# Altium PCB BASE_V1_1.PcbDoc (part 1 of 2)
Units mm, origin at the board's own origin, x right, y up, seen from the top; angles counter-clockwise.
Board outline 93.01 x 71.01 mm, 2 copper layers (Top Layer, Bottom Layer); 138 components, 109 nets, 541 pads, 233 vias.
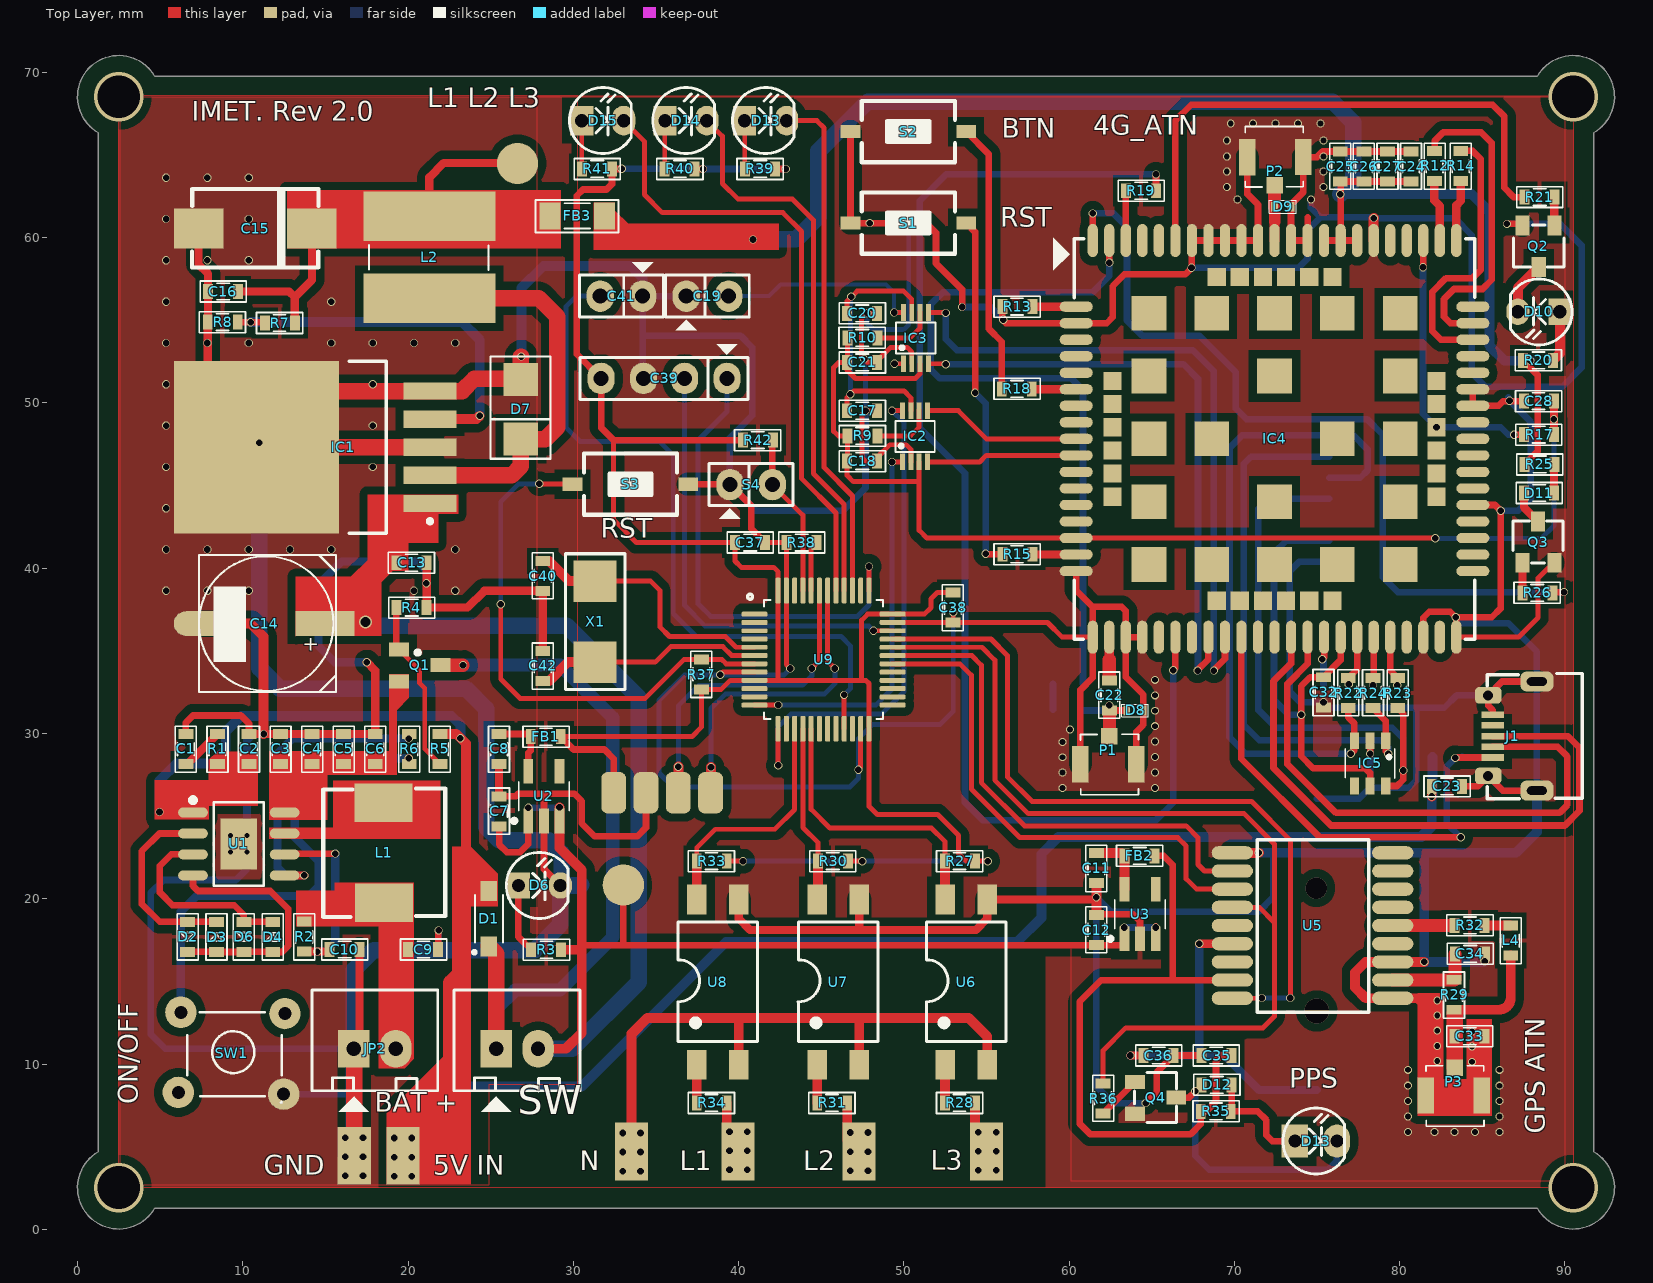
[diagram p0: Top Layer view]
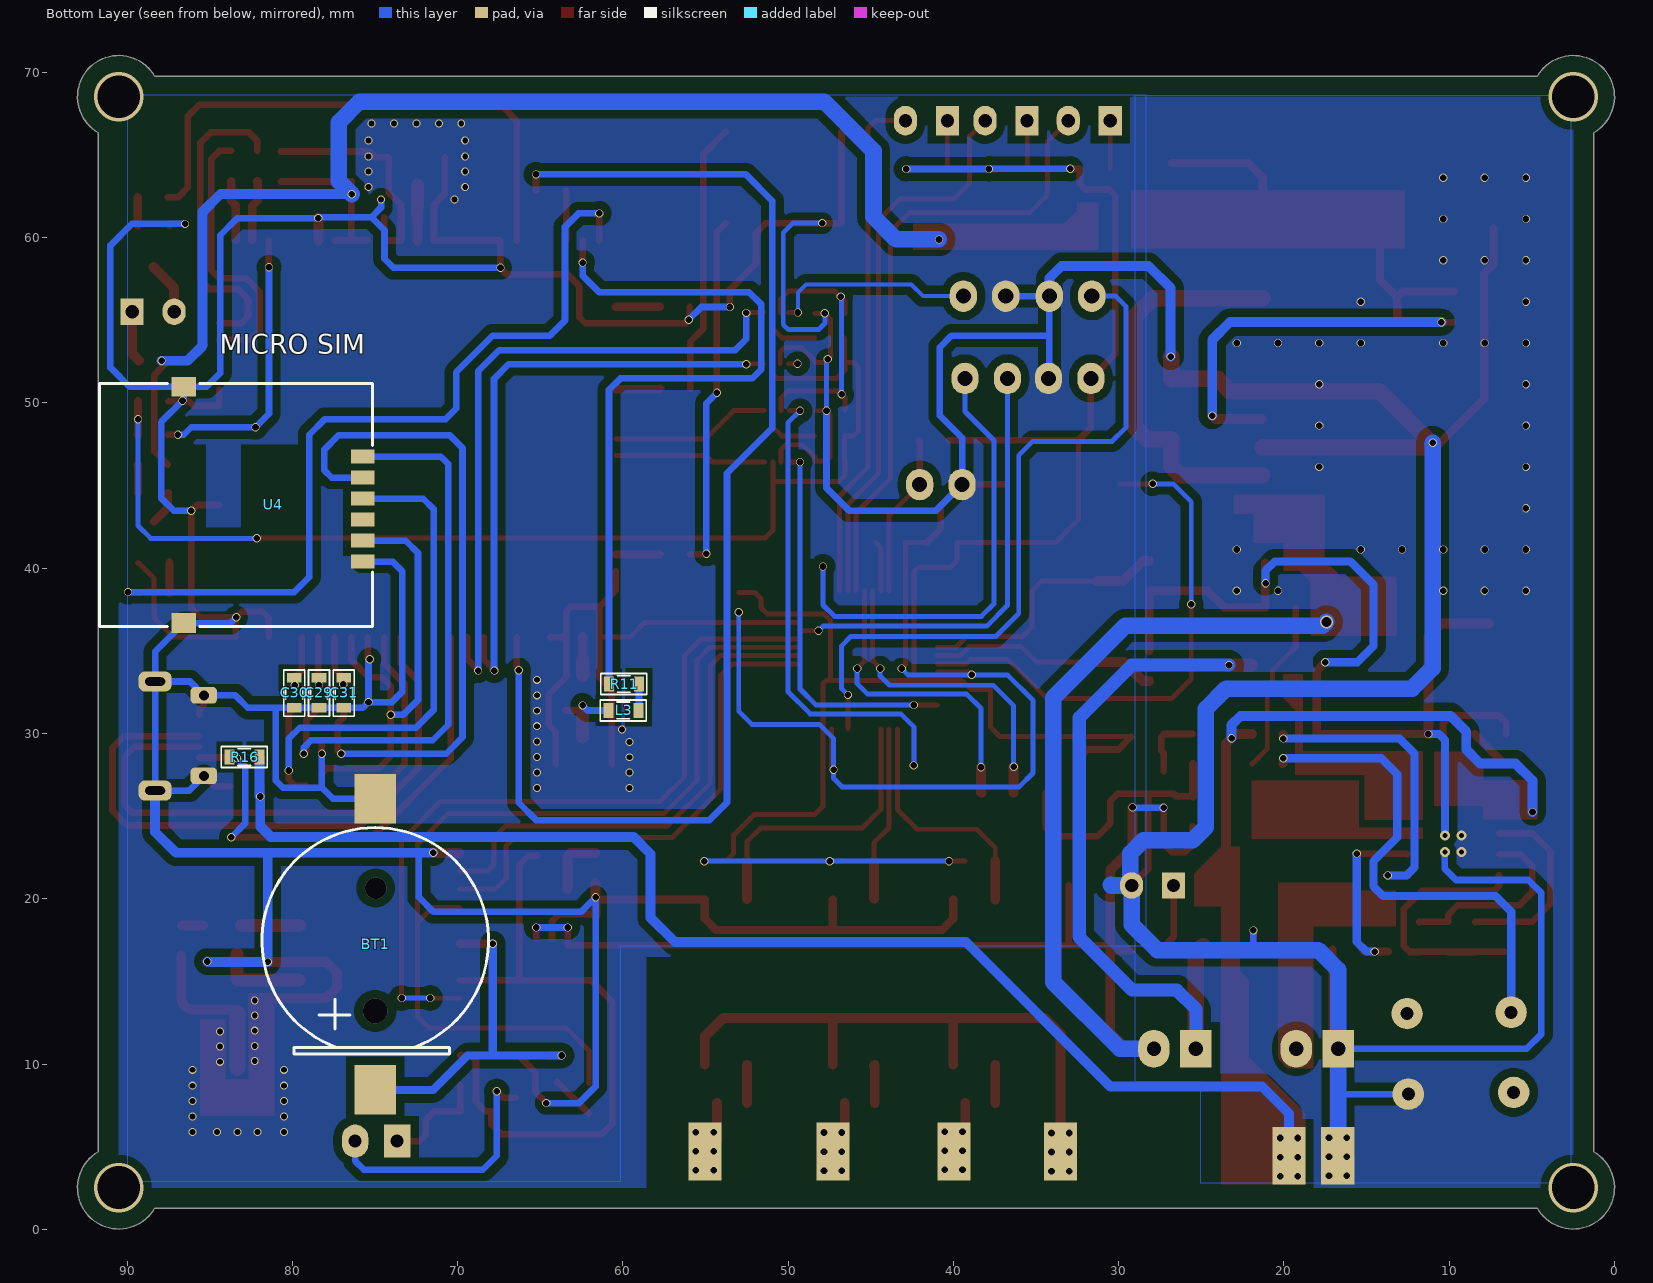
[diagram p1: Bottom Layer view, seen from below]
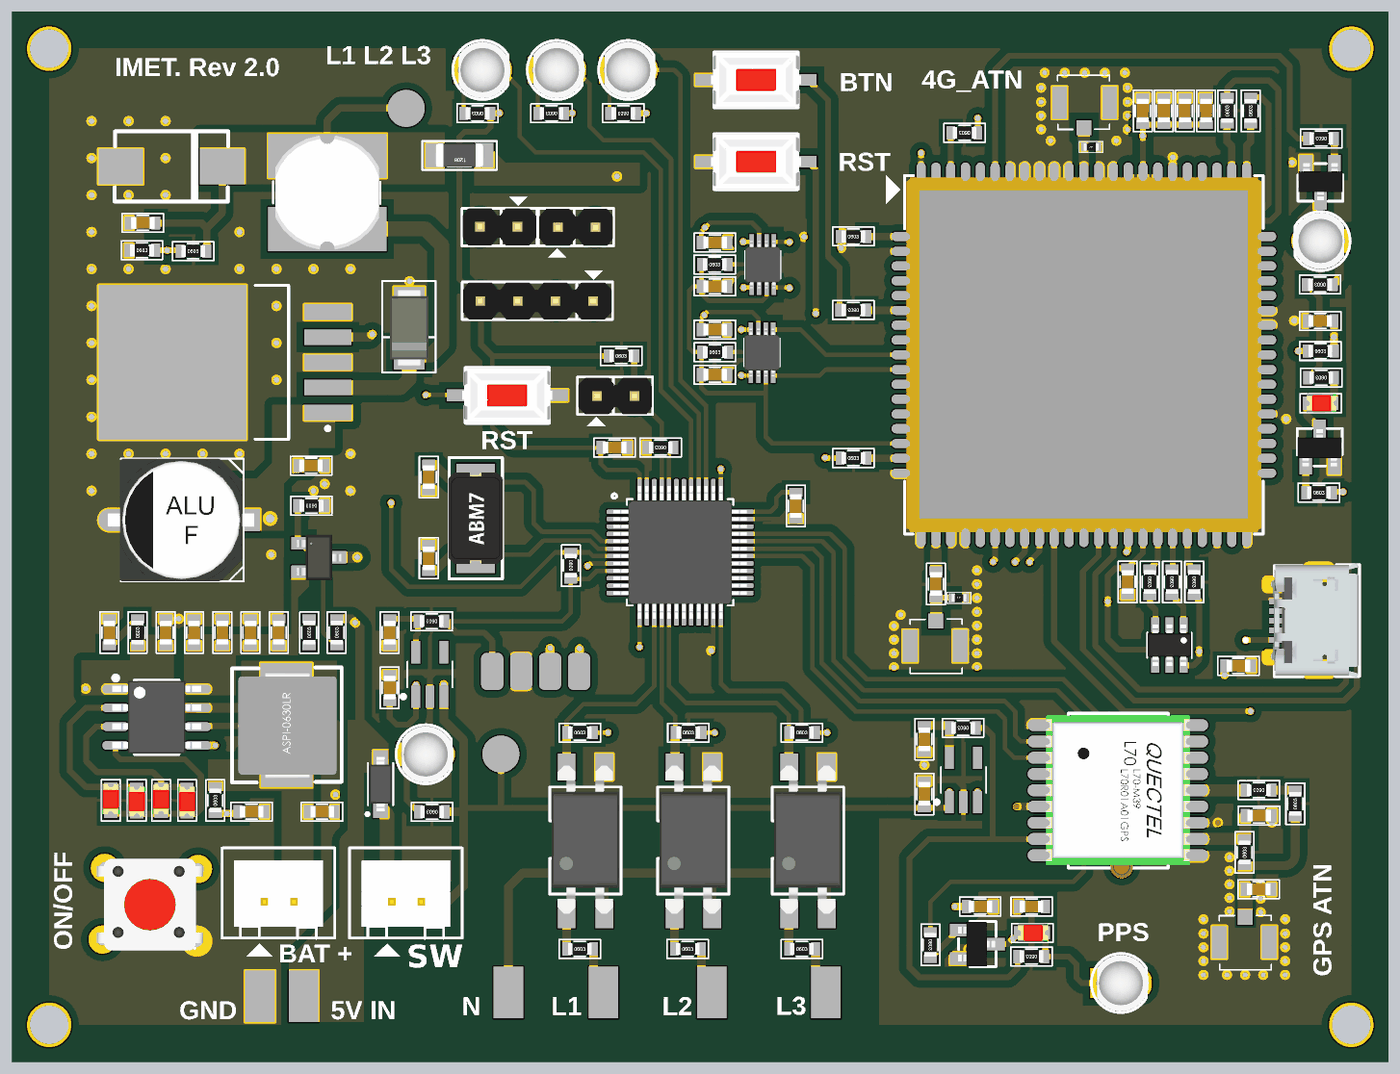
[diagram p3: 3D render of the assembled board from above, using the file's embedded part models]
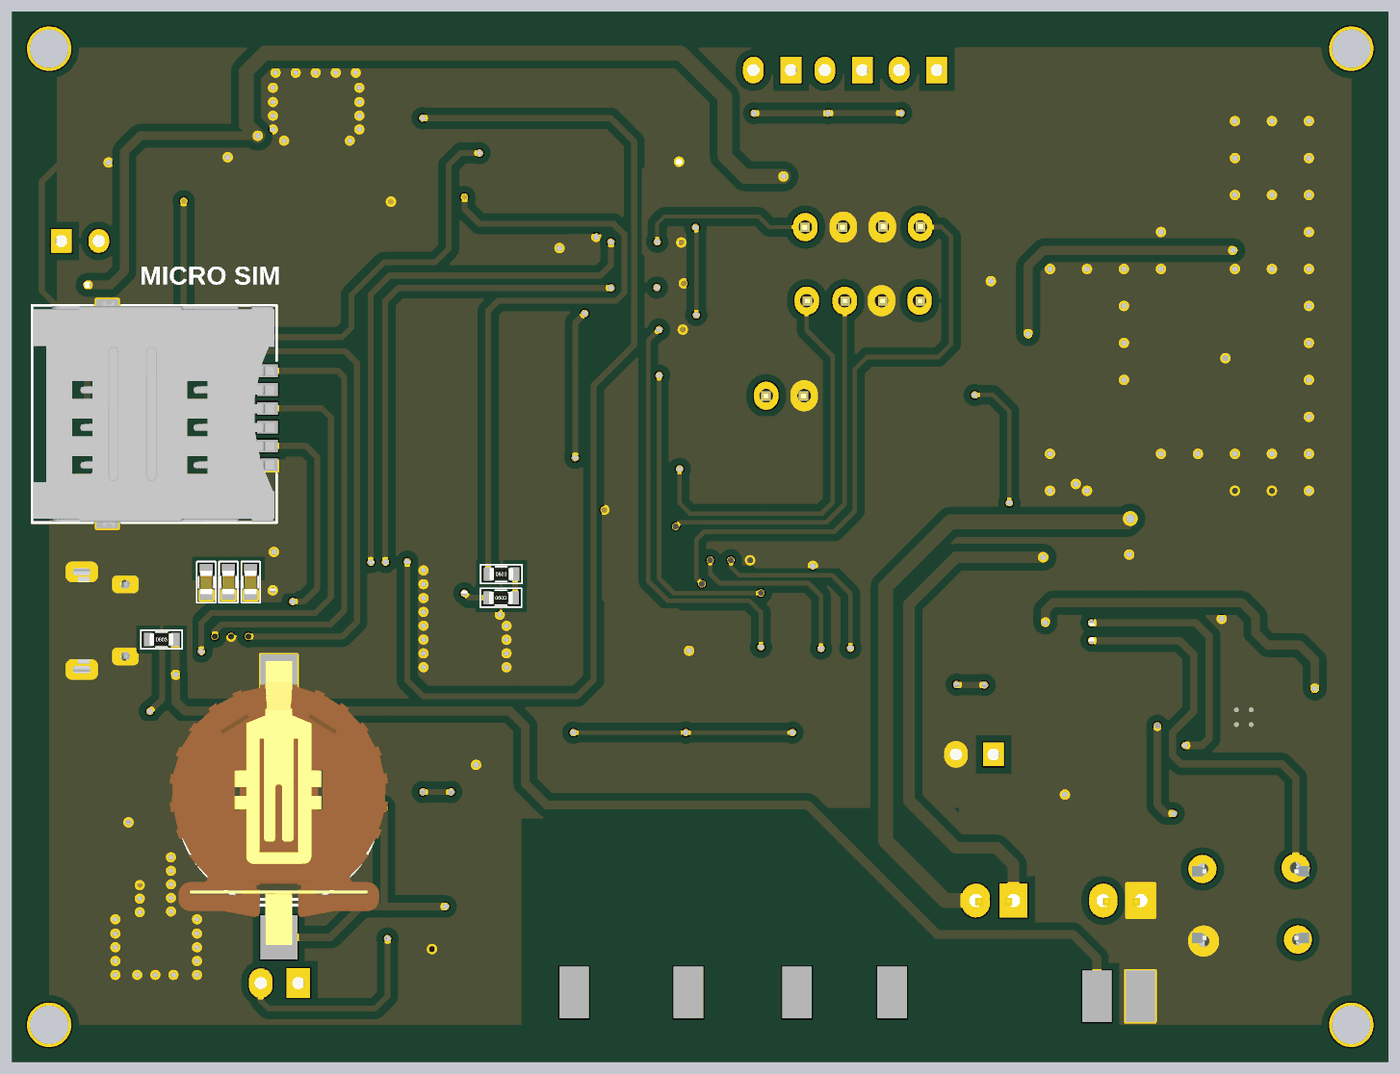
[diagram p4: 3D render of the assembled board from below, using the file's embedded part models]

## Layer stack, top to bottom
Top Solder: solder mask 0.0102, Solder Resist, Dk 3.5
Top Layer: signal copper 0.0356
Dielectric 1: dielectric 0.32, FR-4, Dk 4.8
Bottom Layer: signal copper 0.0356
Bottom Solder: solder mask 0.0102, Solder Resist, Dk 3.5

## Board outline
1.239,4.68 1.239,66.364 cw(c2.489,68.529) 4.654,69.779 88.335,69.779 cw(c90.5,68.529) 91.75,66.364 91.75,4.68 cw(c90.5,2.515) 88.335,1.265 4.654,1.265 cw(c2.489,2.515)

## Design rules (kind name [scope] priority, off if disabled: settings)
Clearance [All] p1: gap=0.178 ignorepadtopadclearanceinfootprint=FALSE except(0.508: Arc-Fill Arc-Poly Arc-Region Track-Fill Track-Poly Track-Region SMDPad-Fill SMDPad-Poly SMDPad-Region THPad-Fill THPad-Poly THPad-Region Via-Fill Via-Poly Via-Region Fill-Fill Fill-Poly Fill-Region Poly-Poly Poly-Region Region-Region)
PolygonConnect [All] p1: connectstyle=Direct reliefconductorwidth=0.254 reliefentries=4 polygonreliefangle="90 Angle" airgapwidth=0.254
RoutingVias [All] p1: holewidth=0.4 width=0.5 viastyle="Through Hole" minholewidth=0.4 minwidth=0.5 maxholewidth=0.5 maxwidth=0.7
SolderMaskExpansion [All] p1: expansion=0.102 istentingtop=FALSE
Width [All] p1: maxlimit=2.54 minlimit=0.254 preferedwidth=0.254
30 further rules are at their usual default settings.

## Classes and differential pairs
component class "3. MCU": BT1 C33 C34 C35 C36 C37 C38 C39 C40 C41 C42 D12 D13 D14 D15 L4 P3 Q4 R27 R28 R29 R30 R31 R32 R33 R34 R35 R36 R37 R38 R39 R40 R41 R42 S3 S4 U5 U6 U7 U8 U9 X1
component class "2. 4G": BOOT1 C17 C18 C19 C20 C21 C22 C23 C24 C25 C26 C27 C28 C29 C30 C31 C32 D8 D9 D10 D11 IC2 IC3 IC4 IC5 J1 L3 P1 P2 Q2 Q3 R9 R10 R11 R12 R13 R14 R15 R16 R17 R18 R19 R20 R21 R22 R23 R24 R25 R26 RST1 S1 S2 S? U4
component class "1. Power": C1 C2 C3 C4 C5 C6 C7 C8 C9 C10 C11 C12 C13 C14 C15 C16 D1 D2 D3 D4 D6 D7 FB1 FB2 FB3 IC1 JP2 L1 L2 Q1 R1 R2 R3 R4 R5 R6 R7 R8 SW SW1 U1 U2 U3

## Components (designator, comment, footprint, x,y, rotation, side; value= is the part's Value field where it differs from the comment)
BT1 "PIN 3V" "CR1220 SMD" 74.752,17.094 r180 bottom
C1 "10uF" CAP_0603 6.553,29.058 r90 top value=33p
C2 "10uF" CAP_0603 10.372,29.058 r90 top value=33p
C3 "22uF" CAP_0603 12.281,29.058 r90 top value=33p
C4 "22uF" CAP_0603 14.19,29.058 r90 top value=33p
C5 "22uF" CAP_0603 16.099,29.058 r90 top value=33p
C6 "22uF" CAP_0603 18.009,29.058 r90 top value=33p
C7 "10uF" CAP_0603 25.502,25.296 r270 top value=33p
C8 "10uF" CAP_0603 25.501,29.058 r90 top value=33p
C9 "22uF" CAP_0603 20.918,16.929 r180 top value=33p
C10 "22uF" CAP_0603 16.154,16.929 r180 top value=33p
C11 "10uF" CAP_0603 61.646,21.844 r90 top value=33p
C12 "10uF" CAP_0603 61.646,18.11 r270 top value=33p
C13 "104" CAP_0603 20.209,40.335 r0 top value=33p
C14 "470uF" CAP-ALU-SMD-F 11.408,36.652 r180 top
C15 "220uF" TANTALUM 10.749,60.554 r180 top
C16 "104" CAP_0603 8.801,56.744 r180 top value=33p
C17 "104" CAP_0603 47.473,49.53 r180 top value=33p
C18 "104" CAP_0603 47.473,46.482 r180 top value=33p
C19 "Header2" JP2 36.83,56.464 r0 top
C20 "104" CAP_0603 47.473,55.423 r180 top value=33p
C21 "104" CAP_0603 47.473,52.451 r180 top value=33p
C22 "33pF" CAP_0603 62.433,32.309 r270 top value=33p
C23 "10uF" CAP_0603 82.855,26.797 r180 top value=33p
C24 "10pF" CAP_0603 80.686,64.313 r270 top value=33p
C25 "33pF" CAP_0603 76.403,64.313 r270 top value=33p
C26 "104" CAP_0603 77.831,64.313 r270 top value=33p
C27 "1uF" CAP_0603 79.258,64.313 r270 top value=33p
C28 "10uF" CAP_0603 88.417,50.114 r0 top value=33p
C29 "22pF" CAP_0603 78.384,32.461 r90 bottom value=33p
C30 "22pF" CAP_0603 79.883,32.461 r90 bottom value=33p
C31 "22pF" CAP_0603 76.886,32.461 r90 bottom value=33p
C32 "104" CAP_0603 75.387,32.487 r90 top value=33p
C33 "104" CAP_0603 84.226,11.684 r180 top value=33p
C34 "104" CAP_0603 84.252,16.662 r180 top value=33p
C35 "104" CAP_0603 68.91,10.516 r0 top value=33p
C36 "104" CAP_0603 65.405,10.516 r180 top value=33p
C37 "104" CAP_0603 40.691,41.554 r180 top value=33p
C38 "104" CAP_0603 52.959,37.617 r90 top value=33p
C39 "Header4" JP4 36.754,51.486 r180 top
C40 "22pF" CAP_0603 28.143,39.535 r270 top value=33p
C41 "Header2" JP2 34.188,56.464 r180 top
C42 "22pF" CAP_0603 28.143,34.087 r90 top value=33p
D1 "Diode" SOD-123 24.816,18.872 r90 top value=1N5007
D2 "LED" LED-0603-Red#1 6.68,17.729 r270 top value="LED 3 ly Single Colour"
D3 "LED" LED-0603-Red#1 8.382,17.653 r90 top value="LED 3 ly Single Colour"
D4 "LED" LED-0603-Red#1 11.786,17.653 r90 top value="LED 3 ly Single Colour"
D6 "LED" LED-3#1 26.67,20.803 r0 top value="LED 3 ly Single Colour"
D6 "LED" LED-0603-Red#1 10.084,17.729 r270 top value="LED 3 ly Single Colour"
D7 "SS36" DO-214AC(SMA) 26.746,50.183 r90 top value="40V 3A"
D8 "TVS" RES-SMD-0402 63.983,31.394 r0 top value=4V
D9 "TVS" RES-SMD-0402 72.923,61.874 r0 top value=4V
D10 "NET" LED-3#1 89.687,55.524 r180 top value="LED 3 ly Single Colour"
D11 "PPS" LED-0603-Red#2 88.392,44.552 r180 top value="LED 3 ly Single Colour"
D12 "GPS" LED-0603-Red#2 68.885,8.738 r180 top value="LED 3 ly Single Colour"
D13 "GPS" LED-3#2 73.66,5.334 r0 top value="LED 3 ly Single Colour"
D13 "PWR LED" LED-3#3 40.361,67.081 r0 top value="LED 3 ly Single Colour"
D14 "PWR LED" LED-3#3 35.535,67.081 r0 top value="LED 3 ly Single Colour"
D15 "PWR LED" LED-3#3 30.505,67.081 r0 top value="LED 3 ly Single Colour"
FB1 "120R" RES-SMD-0603 28.347,29.807 r180 top
FB2 "120R" RES-SMD-0603 64.263,22.594 r180 top
FB3 "120R" RES-SMD-1206 30.226,61.316 r180 top
IC1 "LM2576" LM2596 15.32,47.32 r180 top
IC2 "TXB0102DCUR" TXB0102DCUR 50.673,47.981 r90 top
IC3 "TXB0102DCUR" TXB0102DCUR 50.724,53.924 r90 top
IC4 "SIM A7672S" "SIM A7672S" 72.425,47.828 r0 top
IC5 "TPD4E001" TPD4E001 78.207,28.194 r270 top
J1 "USB-5" MICROUSB 87.968,30.099 r270 top
JP2 "JP2" CON2 16.713,10.922 r0 top value="Connector 2"
L1 "1uH" "Inductor SMD 0630" 18.669,22.784 r0 top value="150 mH"
L2 "100uH" CD75-220 21.285,58.75 r90 top value=220uH
L3 "47nH" RES-SMD-0603 59.969,31.394 r180 bottom value="150 mH"
L4 "47nH" RES-SMD-0603 86.716,17.463 r90 top value="150 mH"
P1 "IPX" IPXS 62.408,29.413 r90 top
P2 "IPX" IPXS 72.441,63.602 r270 top
P3 "IPX" IPXS 83.312,9.373 r90 top
Q1 "AO3401A" AO3407A 20.726,34.061 r270 top
Q2 "3904" MMBT3904 88.417,59.487 r180 top
Q3 "3904" MMBT3904 88.367,41.58 r0 top
Q4 "NPN" MMBT3904 65.227,7.976 r270 top
R1 "1K" RES-SMD-0603 8.463,29.045 r90 top
R2 "0.5R" RES-SMD-0603 13.716,17.691 r90 top
R3 "10k" RES-SMD-0603 28.373,16.916 r180 top
R4 "10k" RES-SMD-0603 20.218,37.617 r180 top
R5 "0R" RES-SMD-0603 21.921,29.045 r90 top
R6 "10K" RES-SMD-0603 20.066,29.045 r90 top
R7 "10k" RES-SMD-0603 12.217,54.839 r0 top
R8 "4.7k" RES-SMD-0603 8.763,54.889 r0 top
R9 "1k" RES-SMD-0603 47.485,48.006 r0 top
R10 "1k" RES-SMD-0603 47.473,53.937 r0 top
R11 "10R" RES-SMD-0603 59.944,32.995 r180 bottom
R12 "10k" RES-SMD-0603 82.113,64.325 r90 top
R13 "1K" RES-SMD-0603 56.845,55.829 r0 top
R14 "10k" RES-SMD-0603 83.693,64.325 r90 top
R15 "1K" RES-SMD-0603 56.845,40.843 r0 top
R16 "0R" RES-SMD-0603 82.906,28.575 r180 bottom
R17 "0R" RES-SMD-0603 88.417,48.082 r0 top
R18 "1K" RES-SMD-0603 56.845,50.851 r180 top
R19 "0R" RES-SMD-0603 64.364,62.84 r180 top
R20 "1k" RES-SMD-0603 88.392,52.578 r180 top
R21 "330R" RES-SMD-0603 88.468,62.459 r180 top
R22 "22R" RES-SMD-0603 76.886,32.461 r270 top
R23 "22R" RES-SMD-0603 79.883,32.461 r270 top
R24 "22R" RES-SMD-0603 78.384,32.461 r270 top
R25 "1k" RES-SMD-0603 88.468,46.279 r180 top
R26 "330R" RES-SMD-0603 88.316,38.506 r0 top
R27 "1K" RES-SMD-0603 53.365,22.276 r0 top
R28 "500k" RES-SMD-0603 53.365,7.645 r0 top
R29 "0R" RES-SMD-0603 83.287,14.173 r90 top
R30 "1K" RES-SMD-0603 45.695,22.276 r0 top
R31 "500k" RES-SMD-0603 45.644,7.645 r0 top
R32 "0R" RES-SMD-0603 84.252,18.39 r180 top
R33 "1K" RES-SMD-0603 38.354,22.276 r0 top
R34 "500k" RES-SMD-0603 38.354,7.645 r0 top
R35 "330R" RES-SMD-0603 68.885,7.137 r180 top
R36 "1K" RES-SMD-0603 62.052,7.925 r270 top
R37 "10K" RES-SMD-0603 37.744,33.579 r270 top
R38 "10K" RES-SMD-0603 43.815,41.555 r180 top
R39 "1K" RES-SMD-0603 41.3,64.16 r180 top
R40 "1K" RES-SMD-0603 36.449,64.16 r180 top
R41 "1K" RES-SMD-0603 31.445,64.16 r180 top
R42 "1K" RES-SMD-0603 41.148,47.752 r0 top
S1 "RST" SW-SMD 50.267,60.884 r0 top
S2 "BTN" SW-SMD 50.267,66.421 r0 top
S3 "SW-SMD" SW-SMD 33.452,45.085 r180 top
S4 "SW-SMD" JP2 39.472,45.06 r0 top
SW "SW" CON2 25.324,10.922 r0 top value="Connector 2"
SW1 "SW" SW4 6.248,13.132 r0 top value="Button chip 4 pin"
U1 "IP5306" IP5306 9.73,23.313 r0 top
U2 "TLV70223" SOT23-5 28.219,26.213 r90 top
U3 "TLV70223" SOT23-5 64.287,19.075 r90 top
U4 "Sim holder" "SIM_MicroSIM 6P Flip" 81.153,43.828 r90 bottom
U5 "GPS L70" "GPS L70" 69.875,22.78 r0 top
U6 "OPTO" OPTO_SMD 52.502,9.957 r90 top value=TLP5211
U7 "OPTO" OPTO_SMD 44.755,9.957 r90 top value=TLP5211
U8 "OPTO" OPTO_SMD 37.465,9.957 r90 top value=TLP5211
U9 "STM32F103C8T6" STM32F103C8T6 45.237,34.569 r0 top
X1 "8Mhz" "XTAL 5032 SMD 8Mhz" 31.318,36.768 r90 top value=4Mhz

## Footprints (in the part's own frame and the unit in brackets; to place one, negate y for a bottom-side part, rotate by r counter-clockwise, add the part's x,y. Pads: shape width x height; smd on the part's side, far side on the other; paste and mask are expansions set on the pad)
AO3407A [mm]
  rect 0.85x1.2 smd: 1(-1.016,-1.27) 2(0.909,-1.275) 3(-0.071,1.225)
  silkscreen extent -0.96,-0.28 -0.71,-0.03, body extent -1.6,-1.5 1.5,1.5, height 1.25
CAP-ALU-SMD-F [mil]
  rect 140x59.06 smd: 1(-140,0)
  oval 140x59.06 smd: 2(150,0)
  silkscreen extent -166,-163 160,163, body extent -195,-163 195,163, height 402
CAP_0603 [mm]
  rect 0.6x0.9 smd: 1(-0.901,0) 2(0.914,0)
  silkscreen extent -1.41,-0.64 1.38,0.63, body extent -0.83,-0.4 0.77,0.4, height 0.9
CD75-220 [mm] "Power Inductor CD75 7.8x7x5mm"
  rect 3x8 smd: 1(-2.413,0) 2(2.54,0)
  silkscreen extent -0.71,-3.58 0.81,3.66, body extent -3.82,-3.5 3.92,3.5, height 5
CON2 [mil] "CON2"
  rect 75x90 hole 34: 1(0,0)
  oval 75x90 hole 34: 2(100,0)
  silkscreen extent -100,-150 200,140, body extent -68,-70 168,107, height 236
"CR1220 SMD" [mm] "CR1220 SMD"
  rect 2.5x3 smd: 1(-0.229,-8.661) 2(-0.229,8.966)
  silkscreen extent -7.08,-6.48 6.63,7.21, body extent -7.6,-9.18 7.15,10.02, height 4.55
DO-214AC(SMA) [mm] "DO-214AC Diode Smallest Size"
  rect 2x2.1 smd: 1(1.245,-0.076) 2(-2.367,-0.076)
  silkscreen extent -3.56,-1.86 2.62,1.76, body extent -3.13,-1.38 2.07,1.22, height 2.4
"GPS L70" [mm]
  oval 2.5x0.8 smd: 1(0,0) 2(0,-1.1) 3(0,-2.2) 4(0,-3.3) 5(0,-4.4) 6(0,-5.5) 7(0,-6.6) 8(0,-7.7) 9(0,-8.8) 10(9.7,-8.8) 11(9.7,-7.7) 12(9.7,-6.6) 13(9.7,-5.5) 14(9.7,-4.4) 15(9.7,-3.3) 16(9.7,-2.2) 17(9.7,-1.1) 18(9.7,0)
  silkscreen extent 1.5,-9.65 8.25,0.8, body extent 0,-9.45 9.7,0.65, height 2.52
"Inductor SMD 0630" [mm]
  rect 3.5x2.35 smd: 1(-0.152,3.023) 2(-0.127,-3.023)
  silkscreen extent -3.81,-3.89 3.58,3.9, body extent -3.4,-3.63 3.25,3.57, height 3.05
IP5306 [mm]
  oval 1.8x0.6 smd: 1(-2.749,1.909) 2(-2.749,0.639) 3(-2.749,-0.631) 4(-2.749,-1.901) 5(2.796,-1.901) 6(2.796,-0.631) 7(2.796,0.639) 8(2.796,1.909)
  rect 2.21x3.1 smd: 9(0.023,0.004)
  silkscreen extent -2.9,-2.52 1.54,2.81, body extent -2.97,-2.44 3.03,2.46, height 1.75
IPXS [mm] "SOT 23 _ 1-3-2"
  rect 1x1 smd: 1(0.415,-0.01)
  rect 2.2x1 smd: 2(-1.273,-1.658) 3(-1.278,1.73)
  silkscreen extent -3.13,-1.79 0.53,1.73, body extent -2.83,-1.49 0.31,1.56, height 1.55
JP2 [mil]
  oval 65x75 hole 36: 1(0,0) 2(101,0)
  silkscreen extent -50,-81 150,50, body extent -48,-50 148,48, height 323
JP4 [mil] "Jumper 4"
  oval 65x75 hole 36: 1(-100,0) 2(1,0) 3(99,0) 4(200,0)
  silkscreen extent -150,-81 250,50, body extent -148,-48 248,50, height 323
LED-3#1 [mm] "LED 2 PIN, 3ly Only colour"
  rect 1.4x1.6 hole 0.8: 1(0,0)
  oval 1.4x1.6 hole 0.8: 2(2.54,0)
  silkscreen extent -0.73,-1.99 3,2.01, body extent -0.33,-1.9 3.17,1.9, height 5.52
LED-3#2 [mm] "LED 2 PIN, 3ly Only colour"
  rect 1.6x2 hole 0.8: 1(0,0)
  oval 1.6x2 hole 0.8: 2(2.54,0)
  silkscreen extent -0.73,-1.99 3,2.01, body extent -0.33,-1.9 3.17,1.9, height 5.52
LED-3#3 [mm] "LED 2 PIN, 3ly Only colour"
  rect 1.4x1.8 hole 0.8: 1(0,0)
  oval 1.4x1.8 hole 0.8: 2(2.54,0)
  silkscreen extent -0.73,-1.99 3,2.01, body extent -0.33,-1.9 3.17,1.9, height 5.52
LED-0603-Red#1 [mm]
  rect 0.6x0.9 smd: 1(-0.876,-0.026) 2(0.94,-0.025)
  silkscreen extent -1.36,-0.66 1.44,0.61, body extent -1.05,-0.65 0.97,0.6, height 1.1
LED-0603-Red#2 [mm]
  rect 0.6x0.9 smd: 1(-0.94,0) 2(0.876,0)
  silkscreen extent -1.45,-0.64 1.35,0.64, body extent -1.11,-0.62 0.91,0.63, height 1.1
LM2596 [mm]
  rect 3.2x1.05 smd: 1(-6,3.4) 2(-6,1.7) 3(-6,0) 4(-6,-1.7) 5(-6,-3.4)
  rect 10x10.45 smd: 6(4.5,0)
  silkscreen extent -6.13,-5.2 -1.1,5.2, body extent -6.58,-5.2 7.57,5.2, height 4.65
MICROUSB [mm]
  rect 0.4x1.35 smd mask+0.05: 1(1.554,-2.345) 2(0.904,-2.345) 3(0.254,-2.345) 4(-0.396,-2.345) 5(-1.046,-2.345)
  rrect60% 1.2x2 hole 0.5 slot 1.2 at 90 deg: 5(-3.046,0.33) 5(3.554,0.33)
  rrect50% 1x1.6 hole 0.6: 5(-2.21,-2.616) 5(2.667,-2.616)
  silkscreen extent -3.53,-2.67 4.04,3.08, body extent -3.66,-2.83 4.11,3.01, height 2.6
MMBT3904 [mm]
  rect 0.85x1.2 smd: 1(-0.94,-1.245) 2(0.985,-1.25) 3(0.005,1.25)
  silkscreen extent -1.52,-1.27 1.52,1.27, body extent -1.5,-1.3 1.5,1.2, height 1.06
OPTO_SMD [mm]
  rect 1.8x1.2 smd: 1(0,0) 2(0,-2.54) 3(10,-2.54) 4(10,0)
  silkscreen extent 1.4,-3.68 8.64,1.15, body extent 0.08,-3.56 10.08,1.02, height 3.95
RES-SMD-0402 [mm]
  rect 0.4x0.6 smd: 1(-0.5,0) 2(0.5,0)
  silkscreen extent -0.81,-0.38 0.81,0.38, body extent -0.5,-0.25 0.5,0.25, height 0.35
RES-SMD-0603 [mm]
  rect 0.6x0.9 smd: 1(-0.889,0) 2(0.927,0)
  silkscreen extent -1.4,-0.64 1.4,0.64, body extent -0.8,-0.4 0.8,0.4, height 0.43
RES-SMD-1206 [mil]
  rect 50x65 smd: 1(-65,0) 2(65,0)
  silkscreen extent -99,-38 99,39, body extent -63,-31 63,32, height 40
"SIM A7672S" [mm]
  oval 2x0.62 smd: 1(-12,8) 2(-12,7) 3(-12,6) 4(-12,5) 5(-12,4) 6(-12,3) 7(-12,2) 8(-12,1) 9(-12,0) 10(-12,-1) 11(-12,-2) 12(-12,-3) 13(-12,-4) 14(-12,-5) 15(-12,-6) 16(-12,-7) 17(-12,-8) 35(12,-8) 36(12,-7) 37(12,-6) 38(12,-5) 39(12,-4) 40(12,-3) 41(12,-2) 42(12,-1) 43(12,0) 44(12,1) 45(12,2) 46(12,3) 47(12,4) 48(12,5) 49(12,6) 50(12,7) 51(12,8)
  oval 0.62x2 smd: 18(-8,-12) 19(-7,-12) 20(-6,-12) 21(-5,-12) 22(-4,-12) 23(-3,-12) 24(-2,-12) 25(-1,-12) 26(0,-12) 27(1,-12) 28(2,-12) 29(3,-12) 30(4,-12) 31(5,-12) 32(6,-12) 33(7,-12) 34(8,-12) 52(8,12) 53(7,12) 54(6,12) 55(5,12) 56(4,12) 57(3,12) 58(2,12) 59(1,12) 60(0,12) 61(-1,12) 62(-2,12) 63(-3,12) 64(-4,12) 65(-5,12) 66(-6,12) 67(-7,12) 68(-8,12) 89(-11,-12) 90(-10,-12) 91(-9,-12) 92(9,-12) 93(10,-12) 94(11,-12) 95(11,12) 96(10,12) 97(9,12) 98(-9,12) 99(-10,12) 100(-11,12)
  rect 2.1x2.1 smd: 69(-7.6,7.6) 70(-7.6,3.8) 71(-7.6,0) 72(-7.6,-3.8) 73(-7.6,-7.6) 74(-3.8,-7.6) 75(0,-7.6) 76(3.8,-7.6) 77(7.6,-7.6) 78(7.6,-3.8) 79(7.6,0) 80(7.6,3.8) 81(7.6,7.6) 82(3.8,7.6) 83(0,7.6) 84(-3.8,7.6) 85(-3.8,0) 86(0,-3.8) 87(3.8,0) 88(0,3.8)
  rect 1.1x1.1 smd: 101(-9.8,3.5) 102(-9.8,2.1) 103(-9.8,0.7) 104(-9.8,-0.7) 105(-9.8,-2.1) 106(-9.8,-3.5) 107(-3.5,-9.8) 108(-2.1,-9.8) 109(-0.7,-9.8) 110(0.7,-9.8) 111(2.1,-9.8) 112(3.5,-9.8) 113(9.8,-3.5) 114(9.8,-2.1) 115(9.8,-0.7) 116(9.8,0.7) 117(9.8,2.1) 118(9.8,3.5) 119(3.5,9.8) 120(2.1,9.8) 121(0.7,9.8) 122(-0.7,9.8) 123(-2.1,9.8) 124(-3.5,9.8)
  silkscreen extent -13.39,-12.12 12.12,12.16, body extent -12,-12 12,12, height 2.6
"SIM_MicroSIM 6P Flip" [mm]
  rect 0.85x1.4 smd: 1(-2.16,-5.415) 2(0.38,-5.415) 3(2.92,-5.415) 5(-3.43,-5.415) 6(-0.89,-5.415) 7(1.65,-5.415)
  rect 1.2x1.5 smd: 8(-7.15,5.415) 8(7.15,5.415)
  Top Layer pour cut-out: 3.683,8.788 -4.293,8.788 -4.293,4.039 3.683,4.039
  Top Layer pour cut-out: 3.683,-2.79 -4.293,-2.79 -4.293,1.96 3.683,1.96
  silkscreen extent -7.35,-6.02 7.35,10.52, body extent -7.61,-5.89 7.59,10.41, height 1.7
SOD-123 [mm]
  rect 1.21x1 smd: 1(1.604,-0.076) 2(-1.756,-0.076)
  silkscreen extent -2.21,-0.93 1.35,0.91, body extent -1.9,-0.85 1.75,0.7, height 1.5
SOT23-5 [mm] "SOT23, 5-Leads, Body 3.0x3.0mm (max), Pitch 0.95mm, IPC Medium Density"
  rect 1.5x0.6 smd: 1(-1.5,0.95) 2(-1.5,0) 3(-1.5,-0.95) 4(1.5,-0.95) 5(1.5,0.95)
  silkscreen extent -1.62,-1.52 0.87,1.92, body extent -1.75,-1.52 1.75,1.53, height 1.45
STM32F103C8T6 [mm]
  rrect50% 1.56x0.3 smd: 1(-4.282,2.648) 2(-4.282,2.148) 3(-4.282,1.648) 4(-4.282,1.148) 5(-4.282,0.648) 6(-4.282,0.148) 7(-4.282,-0.352) 8(-4.282,-0.852) 9(-4.282,-1.352) 10(-4.282,-1.852) 11(-4.282,-2.352) 12(-4.282,-2.852) 25(4.078,-2.852) 26(4.078,-2.352) 27(4.078,-1.852) 28(4.078,-1.352) 29(4.078,-0.852) 30(4.078,-0.352) 31(4.078,0.148) 32(4.078,0.648) 33(4.078,1.148) 34(4.078,1.648) 35(4.078,2.148) 36(4.078,2.648)
  rrect50% 0.3x1.56 smd: 13(-2.852,-4.282) 14(-2.352,-4.282) 15(-1.852,-4.282) 16(-1.352,-4.282) 17(-0.852,-4.282) 18(-0.352,-4.282) 19(0.148,-4.282) 20(0.648,-4.282) 21(1.148,-4.282) 22(1.648,-4.282) 23(2.148,-4.282) 24(2.648,-4.282) 37(2.648,4.078) 38(2.148,4.078) 39(1.648,4.078) 40(1.148,4.078) 41(0.648,4.078) 42(0.148,4.078) 43(-0.352,4.078) 44(-0.852,4.078) 45(-1.352,4.078) 46(-1.852,4.078) 47(-2.352,4.078) 48(-2.852,4.078)
  silkscreen extent -4.7,-3.7 3.5,3.86, body extent -4.6,-4.6 4.4,4.4, height 1.57
SW4 [mil] "SW button 4pin, 250 x250 mil"
  round 75 hole 31: 1(0,0) 2(245,-195) 3(248,-3) 4(-6,-191)
  silkscreen extent 15,-215 240,0, body extent -36,-220 276,24, height 276
SW-SMD [mm] "Switch SMD type"
  rect 1.2x0.8 smd: 1(-3.5,0) 2(3.5,0)
  silkscreen extent -2.82,-1.85 2.82,1.85, body extent -3.05,-1.85 3.05,1.85, height 2.5
TANTALUM [mm]
  rect 3x2.4 smd: 1(-3.429,0) 2(3.429,0)
  silkscreen extent -3.84,-2.39 3.84,2.36, body extent -3.81,-2.15 3.81,2.15, height 4.21
TPD4E001 [mm] "SOT23, 5-Leads, Body 3.0x3.0mm (max), Pitch 0.95mm, IPC Medium Density"
  rect 1x0.55 smd: 1(-1.372,0.95) 2(-1.372,0) 3(-1.372,-0.95) 4(1.372,-0.95) 5(1.372,0) 6(1.372,0.95)
  silkscreen extent -0.89,-1.5 0.89,1.5, body extent -1.4,-1.45 1.4,1.45, height 1.45
TXB0102DCUR [mm] "Small Outline; 8 Leads; Body Width 3.9 mm; Pitch 1.27 mm"
  rect 1x0.3 smd: 1(-1.55,0.75) 2(-1.55,0.25) 3(-1.55,-0.25) 4(-1.55,-0.75) 5(1.55,-0.75) 6(1.55,-0.25) 7(1.55,0.25) 8(1.55,0.75)
  silkscreen extent -0.94,-1.19 0.94,1.19, body extent -1.6,-1.2 1.6,1.2, height 0.9
"XTAL 5032 SMD 8Mhz" [mm]
  rect 2.5x2.6 smd: 1(-2.45,0) 2(2.45,0)
  silkscreen extent -4.1,-1.8 4.1,1.8, body extent -3.1,-1.85 3.1,1.85, height 1.45

## Part data
BT1: "Battery 3VDC"
C1 C2 C3 C4 C5 C6 C7 C8 C9 C10 C11 C12 C13 C16 C17 C18 C20 C21 C22 C23 C24 C25 C26 C27 C28 C29 C30 C31 C32 C33 C34 C35 C36 C37 C38 C40 C42: library part CapSMD, "Capacitor", LatestRevisionDate=17-Jul-2002, LatestRevisionNote="Re-released for DXP Platform.", PackageReference=RAD-0.3, Published=8-Jun-2000, Publisher="Altium Limited"
C14 C15: library part "Cap Pol", "Polarized Capacitor (Axial)", LatestRevisionDate=17-Jul-2002, LatestRevisionNote="Re-released for DXP Platform.", PackageReference=POLAR0.8, Published=8-Jun-2000, Publisher="Altium Limited"
C19 C41: "Header IDC, 2 x 1 Pin Vertical 2.54mm Pitch (Non-Boxed, Male)", Manufacturer="W¨¹rth Elektronik eiSos GmbH", partNo=613002143121, ComponentLink1 Description=Manufacturer, ComponentLink1URL=http://www.we-online.com, ComponentLink2 Description=Datasheet, ComponentLink2URL=http://katalog.we-online.de/em/datasheet/6130xx143121.pdf, Created by="Karrer Zheng", Created Date="29 March 2013", NoPins=02
C39: "Header IDC, 4 x 1 Pin Vertical 2.54mm Pitch (Non-Boxed, Male)", Manufacturer="W¨¹rth Elektronik eiSos GmbH", partNo=613002143121, ComponentLink1 Description=Manufacturer, ComponentLink1URL=http://www.we-online.com, ComponentLink2 Description=Datasheet, ComponentLink2URL=http://katalog.we-online.de/em/datasheet/6130xx143121.pdf, Created by="Karrer Zheng", Created Date="29 March 2013", NoPins=02
D1: "Default Diode", Code - JEDEC=DO-214-AB, Published=8-Jun-2000, Publisher="Altium Limited", Revision="July-2002: Re-released for DXP Platform."
D2 D3 D4 D6 D6: "LED Single colour Green and Red"
D7: library part B340A, "Diode Schottky 40V 3A Surface Mount DO-214AC (SMA)", Manufacturer="Vishay General Semiconductor - Diodes Division", Package=DO214AC, Part Number=B340A-M3/61T, Category=DIODE, User_Description="DIODE SCHOTTKY 40V 3A DO214AC"
D8 D9: "TVS DIODE 4VWM 1005", Manufacturer="Murata Electronics", Package=0402, Part Number=LXES15AAA1-153, Category="Circuit Protection", User_Description="TVS DIODE 4VWM 1005"
D10 D11 D12 D13 D13 D14 D15: library part LED, "LED Single colour Green and Red"
FB1 FB2 FB3: library part "Ferrite beads", "Ferrite beads"
IC2 IC3: "IC TRNSLTR BIDIRECTIONAL US8", Manufacturer="Texas Instruments", Package=8-VSSOP, Category="IC Logic Level", Part Number=TXB0102DCUR, User_Description="IC TRNSLTR BIDIRECTIONAL US8"
IC4: "SIM A7672S-CAT-M1", Part Number="SIM A7672S"
IC5: library part TPD4E001_1, Manufacturer="Texas Instruments", Package=SOT-363, Part Number=TPD4E001RDBVR, Category="Circuit Protection", User_Description="TVS DIODE 5.5VWM SC70-6"
J1: Manufacturer=FCI, Category="Connectors, Interconnects"
JP2 SW: library part Con2, "Connector 2"
L1 L4: library part L1, "Inductor"
L2: library part L1, "22µH Shielded Inductor 1.65A 96mOhm Max Nonstandard", Manufacturer="Bourns Inc.", Package=SMD, Part Number=SRR0745A-220M, Category=INDUCTORS, User_Description="FIXED IND 22UH 1.65A 96 MOHM SMD"
L3: library part "Inductor Ferit", "FIXED IND 47NH 300MA 700MOHM SMD", Manufacturer="Taiyo Yuden", Package=0603, Part Number=HK160847NJ-T, Category=INDUCTORS, User_Description="FIXED IND 47NH 300MA 700MOHM SMD"
P1 P2 P3: library part IPXSx66, "Antenna GSM GPS", Manufacturer="TE Connectivity AMP Connectors", Package=SMD, Part Number=2334884-1, Category=Connectors, User_Description="UMCC MICRO-COAX RECEPTACLE, GEN"
Q1: library part AO3407A
Q2 Q3 Q4: library part MMBT3904
R1 R2 R3 R4 R5 R6 R7 R8 R9 R10 R11 R12 R13 R14 R15 R16 R17 R18 R19 R20 R21 R22 R23 R24 R25 R26 R27 R28 R29 R30 R31 R32 R33 R34 R35 R36 R37 R38 R39 R40 R41 R42: library part "Resistor - SMD", "Resistor", Manufacturer="Generic Components", Class=Passive, Published=08/06/2000, Publisher="Altium Hobart Technology Centre"
S1 S2: library part SW-SMD, "Switch", LatestRevisionDate=17-Jul-2002, LatestRevisionNote="Re-released for DXP Platform.", PackageReference=SPST-2, Published=24-Mar-1999, Publisher="Altium Limited"
S3 S4: "Switch", LatestRevisionDate=17-Jul-2002, LatestRevisionNote="Re-released for DXP Platform.", PackageReference=SPST-2, Published=24-Mar-1999, Publisher="Altium Limited"
SW1: library part SW4, "Switch button 4 pin"
U1: "IP5306 LiPo Charger Booster"
U2 U3: "IC æn ¸p TLV70233, d¸n", Package=SOT23-5, Name=TLV70233
U4: library part Component_1
U6 U7 U8: "Single Opto"
U9: "Mainstream Performance line, ARM Cortex-M3 MCU with 64 Kbytes Flash, 72 MHz CPU, motor control, USB and CAN"
X1: library part XT2, "Crystal For all Crystal 2pin."

## Free pads (board coordinates)
  rect 2x3.5 smd: 2(16.739,4.445) 2(19.685,4.445) 2(33.528,4.699) 2(39.954,4.699) 2(47.282,4.699) 2(54.991,4.699)
  rect 2x3.5 smd far side: 2(16.739,4.445) 2(19.685,4.445) 2(33.528,4.699) 2(39.954,4.699) 2(47.295,4.699) 2(55.016,4.699)
  rrect50% 1.5x2.5 smd: 3(32.436,26.416) 3(34.392,26.416) 3(36.347,26.416) 3(38.303,26.416)
  round 2.5 smd: 4(26.619,64.491) 4(33.02,20.828)

## Via types
v1: diameter 0.5, hole 0.4, Top Layer to Bottom Layer, 173 vias
v2: diameter 0.483, hole 0.356, Top Layer to Bottom Layer, 49 vias
v3: diameter 3, hole 2.6, Top Layer to Bottom Layer, 4 vias
v4: diameter 0.61, hole 0.305, Top Layer to Bottom Layer, tented both sides, 4 vias
v5: diameter 0.8, hole 0.6, Top Layer to Bottom Layer, 1 vias
v6: diameter 1.5, hole 1.5, Top Layer to Bottom Layer, 1 vias
v7: diameter 1.3, hole 1.3, Top Layer to Bottom Layer, 1 vias

## Nets (pads, with @x,y where several pads share a name; then routed paths per layer and width w, separated by ;. In a path a pad name is that pad's centre, name@x,y a point inside that pad or via, vN(x,y) a via of type N, cw(c..) or ccw(c..) an arc to the next point about the centre after c; other vN are vias at no path point)
1.8V: C18.2 C21.2 C28.2 IC2.3 IC3.3 IC4.15 R9.1 R10.1 R17.2 | length 71.6
  Top Layer w0.3: R10.1@46.584,53.937 46.584,52.476 C21.2@46.558,52.451 ; IC2.3@50.923,46.431 50.923,45.263 ; IC3.3@50.974,52.374 50.974,51.761 50.694,51.481 47.071,51.481 46.558,51.994 C21.2@46.558,52.451 ; v1(82.144,41.808) 82.124,41.828 IC4.15@60.425,41.828 51.39,41.828 50.923,42.295 50.923,45.263 ; C21.2@46.558,52.451 46.05,52.451 45.745,52.146 45.745,48.285 46.025,48.006 R9.1@46.596,48.006 46.596,46.52 C18.2@46.558,46.482 46.558,45.618 46.939,45.237 50.898,45.237 50.923,45.263
  Top Layer w0.5: C28.2@89.332,50.114 v1(89.332,49.022) 89.332,48.095 R17.2@89.344,48.082
  Bottom Layer w0.3: v1(82.144,41.808) 88.57,41.808 89.332,42.57 v1(89.332,49.022)
3.3LOG_TX: C19.2 IC3.8 | length 12.3
  Top Layer w0.3: v1(49.403,55.474) IC3.8@49.974,55.474
  Bottom Layer w0.254: C19.2@39.395,56.464 41.834,56.464 42.545,57.175 48.92,57.175 49.403,56.693 v1(49.403,55.474)
3.3SIM_RX: IC2.1 U9.12 | length 23.1
  Top Layer w0.3: U9.12@40.956,31.718 42.386,31.718 v1(42.393,31.725) ; v1(49.277,46.431) IC2.1@49.923,46.431
  Bottom Layer w0.3: v1@42.393,31.718 48.304,31.718 49.277,32.69 v1(49.277,46.431)
3.3SIM_TX: IC2.8 U9.13 | length 31
  Top Layer w0.3: U9.13@42.386,30.288 42.386,28.074 v1(42.393,28.067) ; v1(49.276,49.53) IC2.8@49.923,49.531
  Bottom Layer w0.3: v1(42.393,28.067) 42.393,30.404 43.18,31.191 48.666,31.191 50.013,32.537 50.013,48.793 v1(49.276,49.53)
3.3V: C17.2 C20.2 IC2.7 IC3.7 | length 17.6
  Top Layer w0.3: C17.2@46.558,49.53 46.558,50.317 v1(46.761,50.521) 46.965,50.724 50.013,50.724 50.423,50.313 IC2.7@50.423,49.531 ; C20.2@46.558,55.423 46.558,56.159 47.168,56.769 49.987,56.769 50.474,56.282 IC3.7@50.474,55.474
  Bottom Layer w0.3: v1(46.761,50.521) 46.761,56.388 v1(46.812,56.439)
3.8V: C24.2 C25.2 C26.2 C27.2 FB3.1 IC4.55 IC4.56 IC4.57 R20.2 R25.2 | length 93.8
  Top Layer w0.4: IC4.57@75.425,59.828 IC4.56@76.425,59.828 ; IC4.55@77.425,59.828 IC4.56@76.425,59.828 ; C24.2@80.686,63.398 C27.2@79.258,63.398 C26.2@77.831,63.398 C25.2@76.403,63.398 76.425,63.376 IC4.56@76.425,59.828 ; R25.2@87.541,46.279 88.341,47.079 88.341,51.702 R20.2@87.7,52.343
  Top Layer w1: FB3.1@31.877,61.316 33.299,59.893 v1(40.869,59.893)
  Bottom Layer w0.6: v1(76.403,62.636) 84.353,62.636 85.42,61.57 85.42,53.467 86.335,52.553 v1(87.909,52.553)
  Bottom Layer w1: v1(40.869,59.893) 43.459,59.893 44.831,61.265 44.831,65.253 47.803,68.224 75.946,68.224 77.191,66.98 77.191,63.424 v1(76.403,62.636)
3V3_GPS: C35.2 FB2.1 R35.2 U5.8 | length 38.8
  Top Layer w0.4: FB2.1@65.152,22.594 65.722,22.594 66.269,22.047 66.269,15.08 ; C35.2@69.825,10.516 69.19,10.516 68.885,10.211 68.885,7.722 68.3,7.137 R35.2@67.958,7.137 67.958,6.363 67.335,5.74 61.29,5.74 60.63,6.401 60.63,13.767 61.943,15.08 66.269,15.08 ; U5.8@69.875,15.08 66.269,15.08
3V3_MCU: C37.2 C38.2 C39.4 FB1.1 pad.3@32.436,26.416 R27.2 R30.2 R33.2 R37.2 R39.1 R40.1 R41.1 R42.1 U9.9 U9.24 U9.36 U9.48 | length 132.4
  Top Layer w0.3: FB1.1@29.236,29.807 37.173,29.807 37.745,30.379 R37.2@37.745,32.652 38.926,32.652 39.492,33.218 U9.9@40.956,33.218 42.469,33.218 ; 32.436,47.752 32.436,42.926 33.807,41.554 C37.2@39.776,41.554 39.776,40.437 40.157,40.056 42.113,40.056 42.386,39.783 U9.48@42.386,38.648 42.386,33.301 42.469,33.218 ; R33.2@39.281,22.276 v1(40.259,22.276) ; R30.2@46.621,22.276 v1(47.473,22.276) ; C38.2@52.959,38.532 52.019,38.532 51.638,38.151 51.638,37.617 51.239,37.218 U9.36@49.316,37.218 47.803,37.218 47.442,36.857 47.442,33.288 47.371,33.218 ; v1@54.838,22.276 R27.2@54.292,22.276 53.767,22.276 53.315,22.728 53.315,23.825 52.045,25.095 48.387,25.095 47.886,25.596 U9.24@47.886,30.288 47.886,33.026 47.694,33.218 47.371,33.218 ; 42.469,33.218 47.371,33.218
  Top Layer w0.4: FB1.1@29.236,29.807 30.011,29.032 31.877,29.032 32.436,28.473 pad.3@32.436,26.416 ; v1(32.918,64.173) 32.906,64.16 R41.1@32.334,64.16 32.334,63.246 32.004,62.916 30.582,62.916 30.201,62.535 30.201,52.959 C39.4@31.674,51.486 31.674,48.514 32.436,47.752 R42.1@40.259,47.752 ; R40.1@37.338,64.16 v1(37.846,64.16) ; R39.1@42.189,64.16 v1(42.85,64.16)
  Bottom Layer w0.3: v1(40.259,22.276) v1(47.473,22.276) v1(55.067,22.276)
  Bottom Layer w0.4: v1(32.918,64.173) 37.833,64.173 v1(37.846,64.16) v1(42.85,64.16)
5VDC: C7.2 C12.2 C13.1 C14.1 IC1.1 pad.4@33.02,20.828 R3.1 SW.2 U2.1 U2.3 U3.1 U3.3 | length 121.4
  Top Layer w0.4: C7.2@25.502,24.381 25.502,23.292 25.984,22.809 26.772,22.809 27.269,23.307 U2.1@27.269,24.713 27.269,25.491 v1(27.28,25.502) ; 30.505,16.954 30.747,17.196 32.995,17.196 ; pad.4@33.02,20.828 33.02,17.221 32.995,17.196 ; v1(63.337,18.263) U3.1@63.337,17.575 63.337,17.196 C12.2@61.646,17.196 32.995,17.196 ; U3.3@65.237,17.575 v1(65.237,18.263) U3.3@65.237,18.324
  Top Layer w0.6: SW.2@27.864,10.922 29.54,10.922 30.505,11.887 30.505,16.954 ; v1(29.159,25.527) 29.169,25.517 U2.3@29.169,24.713 29.169,23.074 30.505,21.738 30.505,16.954 ; R3.1@29.262,16.916 30.468,16.916 30.505,16.954
  Top Layer w1: C14.1@14.964,36.652 v5@17.348,36.652 ; 17.729,37.033 17.729,39.573 18.491,40.335 C13.1@19.307,40.335 19.307,41.761 19.71,42.164 20.701,42.164 21.32,42.783 IC1.1@21.32,43.92
  Bottom Layer w0.4: v1(27.28,25.502) 29.134,25.502 v1(29.159,25.527) ; v1(63.337,18.263) v1(65.237,18.263)
  Bottom Layer w1: v5(17.424,36.754) 17.653,36.525 29.591,36.525 33.96,32.156 33.96,14.961 29.921,10.922 SW.2@27.864,10.922
BTN: R42.2 S4.2 U9.45 | length 9.9
  Top Layer w0.3: S4.2@42.037,45.06 43.886,43.211 U9.45@43.886,38.648
  Top Layer w0.4: S4.2@42.037,45.06 42.037,47.714 R42.2@42.075,47.752
CLK: IC5.1 R24.2 U4.3 | length 34
  Top Layer w0.4: R24.2@78.385,31.534 79.157,30.762 IC5.1@79.157,29.566 79.157,28.92 v1(79.299,28.778)
  Bottom Layer w0.4: U4.3@75.738,46.748 71.005,46.748 70.561,46.304 70.561,30.531 71.501,29.591 78.867,29.591 79.299,29.159 v1(79.299,28.778)
DATA: IC5.3 R22.2 U4.7 | length 41.1
  Top Layer w0.4: R22.2@76.886,31.534 76.886,30.978 77.257,30.607 IC5.3@77.257,29.566 77.257,28.997 v1(77.038,28.778)
  Bottom Layer w0.4: U4.7@75.738,45.478 77.609,45.478 78.054,45.923 78.054,47.193 77.191,48.057 70.485,48.057 69.698,47.269 69.698,29.769 70.688,28.778 v1(77.038,28.778)
DBG_TX: C41.2 U9.21 | length 42.9
  Top Layer w0.3: v1(46.38,32.334) 46.386,32.329 U9.21@46.386,30.288
  Bottom Layer w0.3: C41.2@31.42,56.464 30.175,56.464 29.54,55.829 29.54,48.539 30.404,47.676 35.204,47.676 36.043,46.838 36.043,37.262 37.44,35.865 46.203,35.865 46.761,35.306 46.761,32.715 v1(46.38,32.334)
DM: IC4.28 J1.2 | length 34.2
  Top Layer w0.4: IC4.28@74.425,35.828 74.425,34.217 73.203,32.995 73.203,28.143 76.149,25.197 89.662,25.197 90.145,25.679 90.145,28.6 89.55,29.195 J1.2@85.623,29.195
DP: IC4.27 J1.3 | length 38
  Top Layer w0.4: IC4.27@73.425,35.828 73.425,34.233 72.365,33.172 72.365,27.915 75.844,24.435 89.992,24.435 90.881,25.324 90.881,29.134 90.17,29.845 J1.3@85.623,29.845